# Altium PCB PDB_PCB.PcbDoc (part 2 of 3)
Units mil, origin at the board's own origin, x right, y up, seen from the top; angles counter-clockwise.
Board outline 5500 x 4500 mil, 4 copper layers (Top Layer, Mid Layer 1, Mid Layer 2, Bottom Layer), stack 78.937 mil thick; 320 components, 127 nets, 936 pads, 1645 vias.
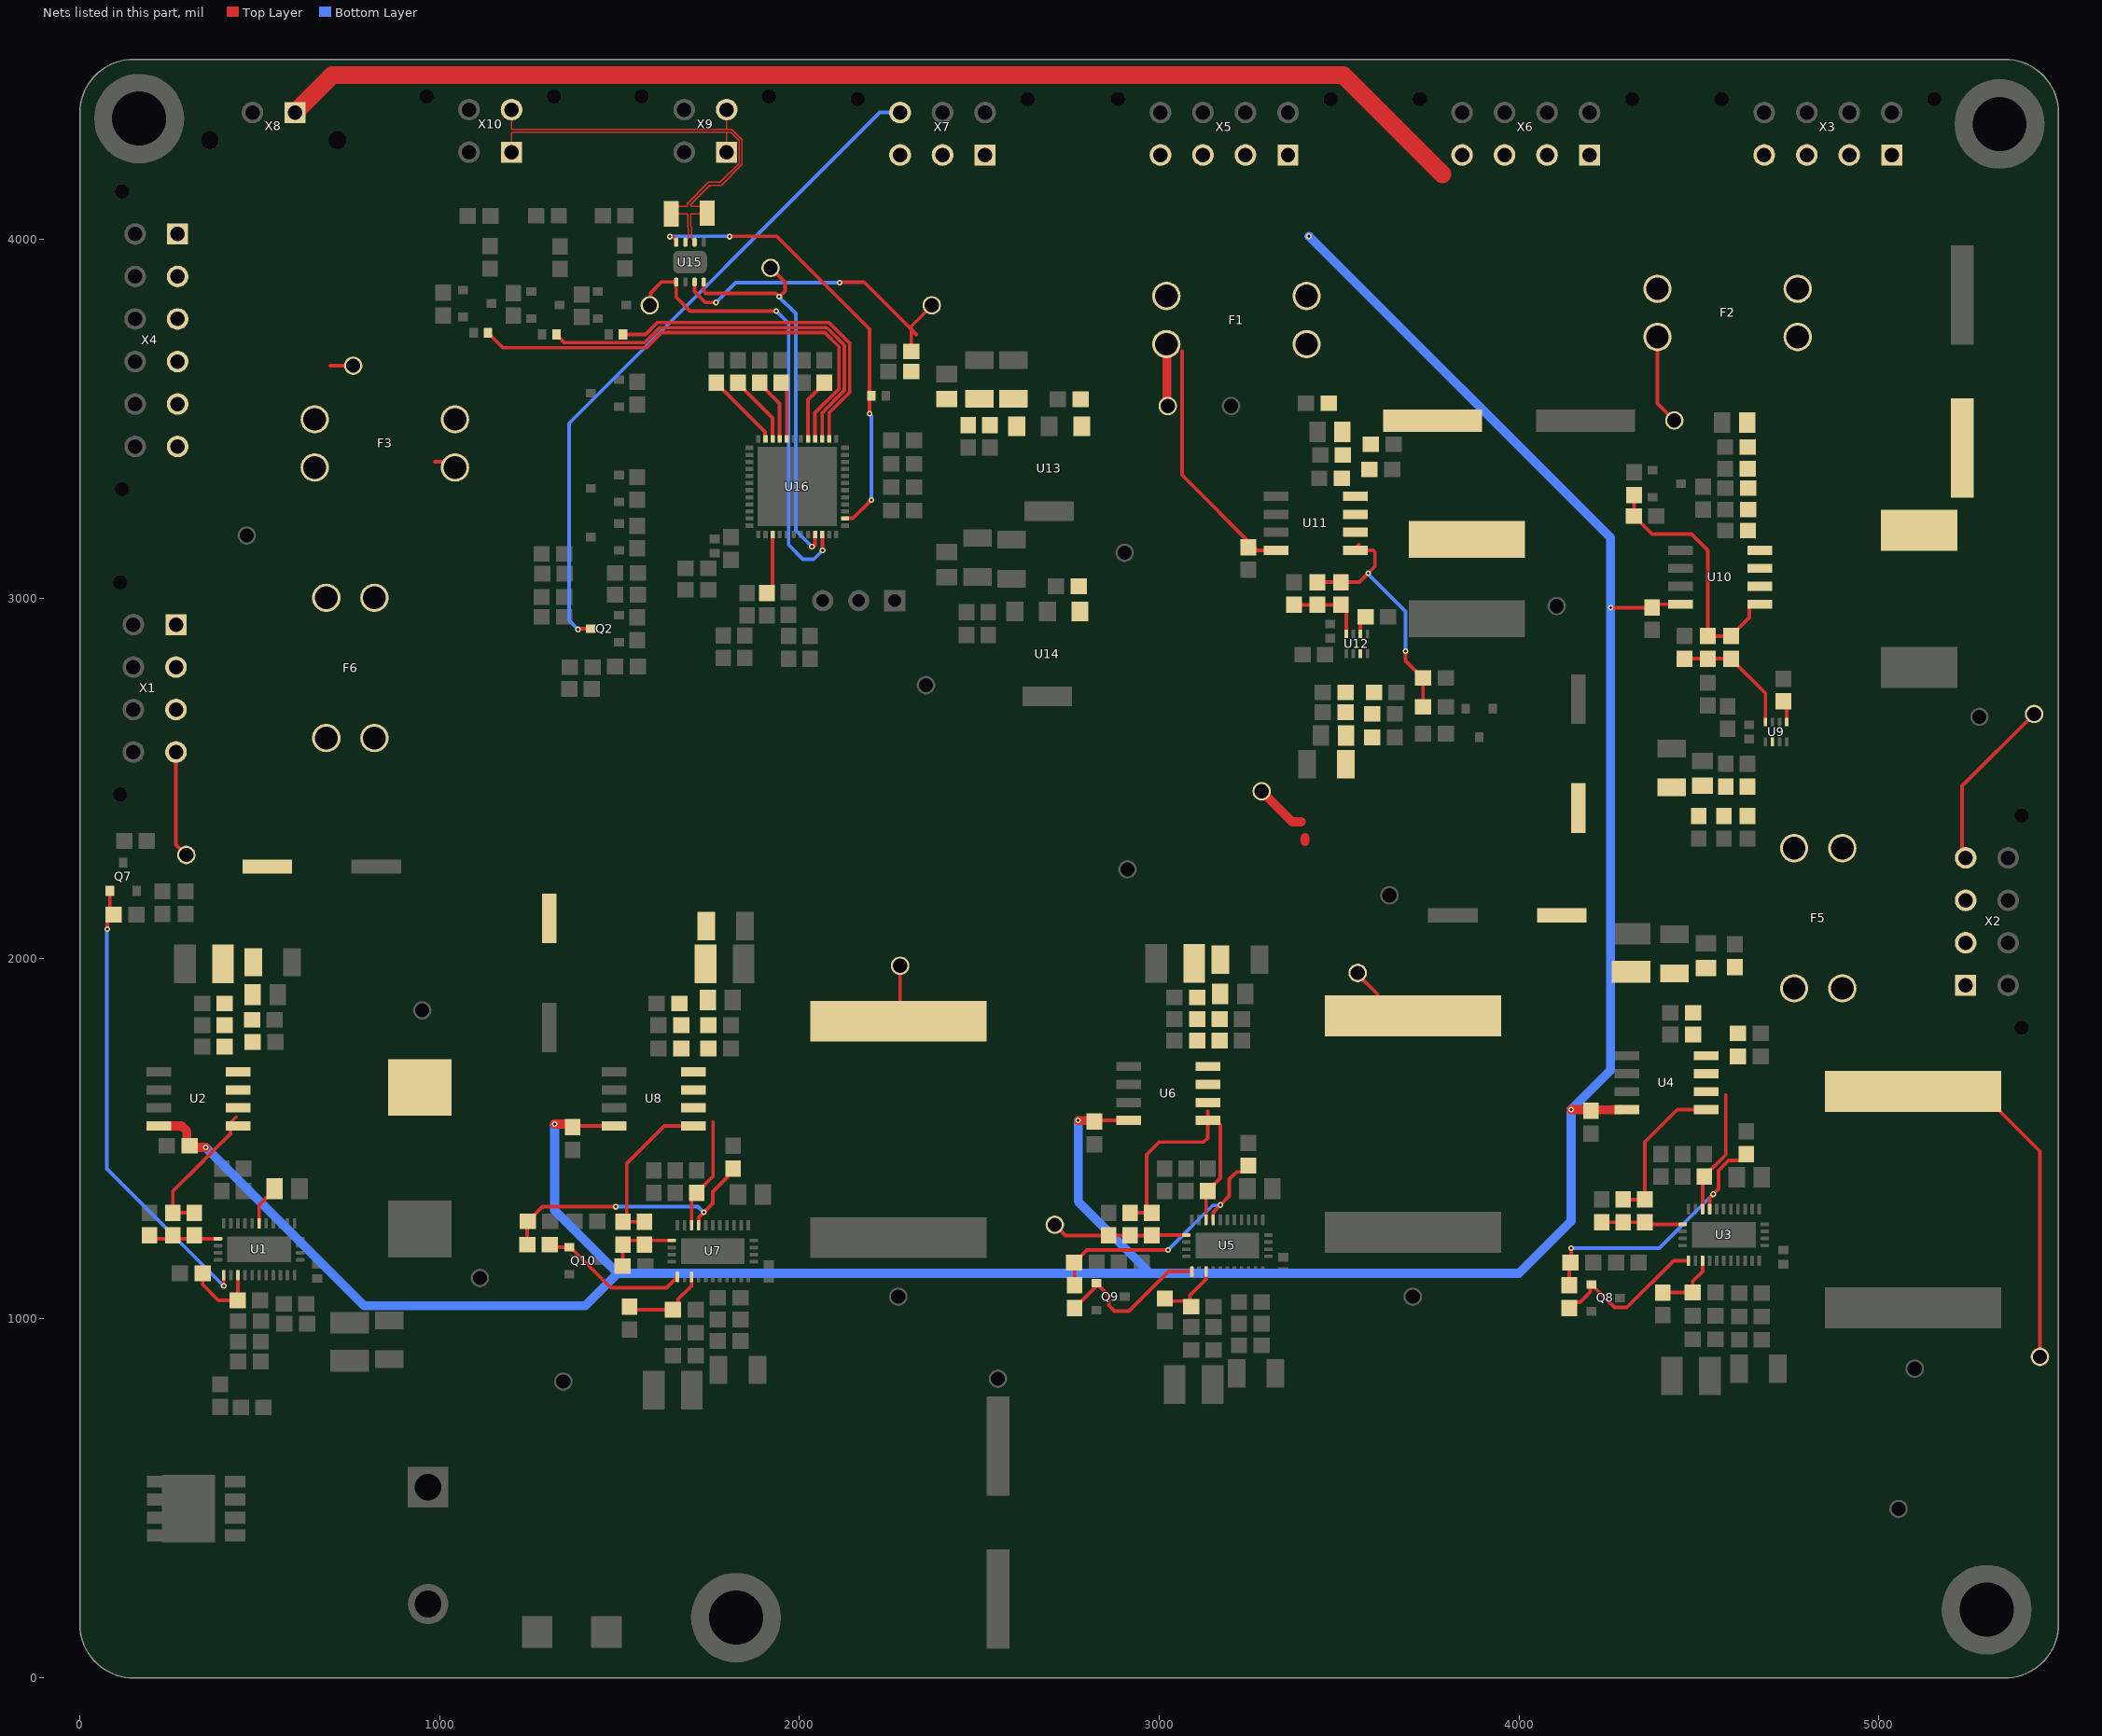
[diagram p4: the nets of this part, all layers, seen from the top]

## Part data (continued)
D1: library part DIO-69.4V-0001, "69.4V Clamp 8.7A Ipp Tvs Diode Surface Mount DO-214AA (SMBJ)", Breakdown Voltage=47.8V, Package="DO-214AA (SMBJ)", Peak pulser current=8.7A, Reverse working maximum voltage=43V, Channels=Bidirectional, Vclamp=69.4V
D2 D3 D4 D5 D6 D7 D8 D9 D10: library part LED_Amber_0001, "CAP CER 0.1UF 100V X7R 0603", Color=Amber, Current Rating=20mA, Manufacturer="Wurth Electronik", Package Size=0603, Assembled?=no, Manufacturer Part Number=150060AS75000, Vf=2V
F1 F2 F3 F5 F6: library part FUSE-ATM-0001, "Fuse Holder 30 A 500V 1 Circuit Blade Through Hole", Current=30A, Voltage Rating=500V, Manufacturer Part Number=3568
J1: library part CON-2POS-0003
L1: library part PWRIND-10U-0002, "10 µH Shielded Drum Core, Wirewound Inductor 10 A 16.8mOhm Max Nonstandard", Inductance="10 uH", Tolerance="+/- 20%", Assembled?=No, DCI="10 A", DCR="16.8 mOhm", Isat=16A
L2 L3 L4: library part PWRIND-8.2U-0002, "8.2 µH Shielded Molded Inductor 18 A 10.66mOhm Max Nonstandard", Inductance="8.2 uH", Tolerance=+/-20%, DCI=18A, DCR="10.66 mOhm", Isat=25A
L5: library part PWRIND-3.3U-0003, "3.3 µH Shielded Drum Core, Wirewound Inductor 6.8 A 15mOhm Max Nonstandard", Inductance="3.3 uH", Tolerance=30%, Assembled?=No, DCI="6.8 A", DCR="15 mOhm", Isat=6.5A
L6: library part PWRIND-1U-0001, "1 µH Semi-Shielded Drum Core, Wirewound Inductor 7.8 A 10mOhm Max Nonstandard", Inductance="1 uH", Tolerance=30%, Assembled?=No, DCI=7.8A, DCR="10 mOhm", Isat=11A
P1: "Header, 3-Pin", LatestRevisionDate=17-Jul-2002, LatestRevisionNote="Re-released for DXP Platform.", Publisher="Altium Limited"
Q1: library part NMOS-60A-0001, "N-Channel 60 V 60A (Tc) 81W (Tc) Surface Mount 8-SOP Advance (5x5)", Drain Current=60A, Package=8-PowerVDFN, Vdss=60V, Vgs="2.5V @ 220uA", Vgs(Max)=20V
Q2 Q3 Q4 Q6 Q7 Q8 Q9 Q10 Q11 Q12 Q13 Q14 Q15: library part NMOS-200MA-0001, "MOSFET N-CH 60V 200MA SOT23", Manufacturer=Toshiba, Package=SOT-23-3, Assembled?=no, FET type=N-Channel, Id-Continuous=200mA, Manufacturer Part Number=T2N7002AK,LM, Rds On-Max=3.9Ohm, VDS-Max=60V, Vgs-Max=20V
R1: library part RES-200K-0001, "200 kOhms ±1% 0.1W, 1/10W Chip Resistor 0603 (1608 Metric) Automotive AEC-Q200 Thick Film", Manufacturer="Panasonic Electronic Components", Package Size=0603, Power Rating="0.1 W", Resistance="200k +/- 1%", Assembled?=Yes, MFP=ERJ-3EKF2003V
R2 R10 R16 R20 R23 R30 R32 R39 R41: library part RES-100K-0003, "100 kOhms ±1% 0.1W, 1/10W Chip Resistor 0603 (1608 Metric) Moisture Resistant Thick Film", Package Size=0603, Power="1/10 W", Resistance="100 kOhm", Tolerance="+/- 1%", Assembled?=No
R4 R5 R6 R8: library part RES-0-0001, "0 Ohms Jumper 0.1W, 1/10W Chip Resistor 0603 (1608 Metric) Automotive AEC-Q200 Thick Film", Package Size=0603, Power="1/10 W", Resistance=10kOhm
R9 R18 R27 R36: library part RES-2.15M-0001, "2.15 MOhms ±1% 0.1W, 1/10W Chip Resistor 0603 (1608 Metric) Moisture Resistant Thick Film", Package Size=0603, Power="1/10 W", Resistance="2.15 MOhm", Tolerance=+/-1%, Assembled?=No
R11 R22 R31 R40 R52 R60 R61 R62: library part RES-100-0002, "100 Ohms ±1% 0.1W, 1/10W Chip Resistor 0603 (1608 Metric) Automotive AEC-Q200 Thick Film", Manufacturer=YAGEO, Package Size=0603, Power Rating=1/10W, Resistance="100Ohm +/-1%", Assembled?=no, Manufacturer Part Number=AC0603FR-10100RL
R12 R14 R19 R24 R28 R33 R37 R42 R46 R47 R50 R54 R57 R66 R67 R68: library part RES-10K-0002, "RES SMD 10K OHM 1% 1/10W 0603", Manufacturer=YAGEO, Package Size=0603, Power Rating=1/10W, Resistance="10kOhm +/-1%", Assembled?=no, Manufacturer Part Number=RC0603FR-0710KP
R13 R26 R35 R44: library part RES-76.8K-0001, "76.8 kOhms ±1% 0.1W, 1/10W Chip Resistor 0603 (1608 Metric) Moisture Resistant Thick Film", Manufacturer=Yageo, Package Size=0603, Power="1/10 W", Resistance="76.8 kOhm", Tolerance="+/- 1%"
R15 R21 R29 R38 R48 R56: library part THERM-47K-0001, "PTC Thermistor 47 kOhms 0402 (1006 Metric)", Manufacturer="Texas Instruments", Package Size=0402, Resistance="47k +/- 1%", Manufacturer Part Number=TMP6431DECR
R17: library part RES-4.32K-0001, "4.32 kOhms ±1% 0.1W, 1/10W Chip Resistor 0603 (1608 Metric) Moisture Resistant Thick Film", Package Size=0603, Power="1/10 W", Resistance="4.32 kOhm", Tolerance=+/-1%, Assembled?=No
R25 R34 R43 R51: library part RES-9.09K-0001, "9.09 kOhms ±1% 0.1W, 1/10W Chip Resistor 0603 (1608 Metric) Moisture Resistant Thick Film", Package Size=0603, Power="1/10 W", Resistance="9.09 kOhm", Tolerance=+/-1%, Assembled?=No
R45: library part RES-220-003, "220 Ohms ±5% 0.1W, 1/10W Chip Resistor 0603 (1608 Metric) Automotive AEC-Q200, Moisture Resistant Thick Film", Package Size=0603, Power="1/10 W", Resistance="220 Ohm", Tolerance="+/- 5%"
R49: library part RES-73.2K-0001, "73.2 kOhms ±1% 0.1W, 1/10W Chip Resistor 0603 (1608 Metric) Moisture Resistant Thick Film", Package Size=0603, Power="1/10 W", Resistance="73.2 kOhm", Tolerance=1%, Assembled?=No
R53: library part RES-4.7K-0002, "RES SMD 4.7K OHM 1% 1/10W 0603", Manufacturer=YAGEO, Package Size=0603, Power Rating=1/10W, Resistance="4.7kOhm +/-1%", Assembled?=no, Manufacturer Part Number=AF0603FR-074K7L
R55: library part RES-30.9K-0001, "30.9 kOhms ±1% 0.1W, 1/10W Chip Resistor 0603 (1608 Metric) Moisture Resistant Thick Film", Package Size=0603, Power="1/10 W", Resistance="30.9 kOhm", Tolerance=1%, Assembled?=No
R58: library part RES-4.7K-0001, "RES SMD 4.7K OHM 1% 1/16W 0402", Manufacturer=YAGEO, Package Size=0402, Power Rating=1/16W, Resistance="4.7kOhm +/-1%", Assembled?=no, Manufacturer Part Number=RC0402FR-074K7P
R59: library part RES-120-0002, "120 Ohms ±1% 0.5W, 1/2W Chip Resistor 1206 (3216 Metric) Thick Film", Package Size=1206, Power="0.5 W", Resistance="120 Ohm", Tolerance=1%
R63 R64 R65: library part RES-33-0003-JLC, "100mW Thick Film Resistors ±100ppm/℃ ±1% -55℃~+155℃ 33Ω 0402  Chip Resistor - Surface Mount ROHS", JLC part number=C278594, Power="1/10 W", Resistance="33 Ohm +/- 1%", Assembled?=yes
R69 R70 R71 R72 R73 R74 R75 R76 R77 R78 R79 R80: library part RES-0-0001, "0 Ohms Jumper 0.1W, 1/10W Chip Resistor 0603 (1608 Metric) Automotive AEC-Q200 Thick Film", Package Size=0603, Resistance="0 Ohm"
TP1 TP3 TP4 TP5 TP6 TP7 TP8 TP9 TP11 TP12 TP13 TP14 TP15 TP17 TP18 TP19 TP20 TP21 TP22 TP23 TP24 TP25 TP26 TP27 TP28 TP29 TP30 TP31 TP32: library part TEST-POINT-0001, "Oranange PC Test Point, Miniature Phoisphor Bronze Silver Plating Through Hole Mounting Type"
U1: library part IC-BUCK-0006, "Buck Switching Regulator IC Positive Adjustable 1V 1 Output 5A 30-WFQFN Exposed Pad", Current=5A, Manufacturer="Texas Instruments", Package=30-WFQFN, Assembled?=no, Manufacturer Part Number=LM76005RNPR, Type=Buck
U2 U4 U6 U8 U10 U11: library part IC-CURRENT-0004, "Current Sensor 1 Channel Hall Effect Bidirectional 8-SOIC (0.154\", 3.90mm Width)", Supply Voltage=5V, Assembled?=No
U3 U5 U7: library part IC-BUCK-0006, "Buck Switching Regulator IC Positive Adjustable 1V 1 Output 5A 30-WFQFN Exposed Pad", Manufacturer="Texas Instruments", Package=30-WFQFN, Assembled?=no, Current=LM76005RNPR, Manufacturer Part Number=LM76005RNPR, Type=Buck
U9: library part IC-BUCK-0008, "Buck Switching Regulator IC Positive Adjustable 0.6V 1 Output 3A SOT-583", Current=3A, Manufacturer="Texaas Instruments", Package Size=SOT-583, Assembled?=no, Manufacturer Part Number=TPS563212DRLR, Type=Buck
U12: library part IC-BUCK-0010, "Buck Switching Regulator IC Positive Adjustable 0.8V 1 Output 3A SOT-583", Current=3A, Manufacturer="Texas Instruments", Assembled?=no, Manufacturer Part Number=TPS62933ODRLR, Type=Buck
U13: library part IC-LDO-5V-0003, "Linear Voltage Regulator IC Positive Fixed 1 Output 500mA SOT-223-4", Current="500 mA", Manufacturer="Texas Instruments", Package Size=SOT223-4, Assembled?=no, Manufacturer Part Number=UA78M05IDCYR, Type="Low dropout (LDO)"
U14: library part IC-LDO-3.3V-0002, "Linear Voltage Regulator IC Positive Fixed 1 Output 500mA SOT-223-4", Current="500 mA", Package=SOT-223-4, Vin=25V, Vout=3.3V
U15: library part IC-CAN-TRANSCEIVER-0002, "1/1 Transceiver CANbus 8-VSON (3x3)", Manufacturer="Texas Instrument", CAN Capability=FD-CAN, Manufacturer Part Number=TCAN1042HGDRBTQ1
U16: library part IC-STM32G431CBU6, "128KB 1.71V~3.6V ARM-MSeries 32KB 170MHz FLASH 42 UFQFPN-48(7x7) Microcontroller Units (MCUs/MPUs/SOCs) ROHS", Package=UFQFPN-48, Assembled?=no, Manufacturer Part Number=STM32G431CBU6
X1 X2 X3 X5 X6: library part "Micro-Fit Molex 8 Pin 2 Row Vertical", Package=43045-0812, DeviceName=43045-0812, DeviceSetName=HEADER_POS8_?, GateName_1=G$1, LibraryName=con-molex-micro-fit-3_0_2, SymbolName_1=HEADER_POS8
X4: library part HEADER_POS12_?43045-1212, Package=43045-1212, DeviceName=43045-1212, DeviceSetName=HEADER_POS12_?, GateName_1=G$1, LibraryName=con-molex-micro-fit-3_0_2, SymbolName_1=HEADER_POS12
X7: library part "Micro-Fit Molex 6 Pin 2 Row Vertical", Package=43045-0612, DeviceName=43045-0612, DeviceSetName=HEADER_POS6_?, GateName_1=G$1, LibraryName=con-molex-micro-fit-3_0_2, SymbolName_1=HEADER_POS6
X8: library part "Micro-Fit Molex 2 Pin Vertical", Package=43650-0215, DeviceName=43650-0215, DeviceSetName=HEADER_POS2_?, GateName_1=G$1, LibraryName=con-molex-micro-fit-3_0_2, SymbolName_1=HEADER_POS2
X9 X10: library part "Micro-Fit Molex 4 Pin 2 Row Vertical", Package=43045-0412, DeviceName=43045-0412, DeviceSetName=HEADER_POS4_?, GateName_1=G$1, LibraryName=con-molex-micro-fit-3_0_2, SymbolName_1=HEADER_POS4

## Free pads (board coordinates)
  round 250 hole 150: ""(165,4335) ""(1824,168) ""(5300,190) ""(5336,4320)

## Via types
v1: diameter 16, hole 8, Top Layer to Bottom Layer, 1601 vias
v2: diameter 11.81, hole 7.87, Top Layer to Bottom Layer, 44 vias

## Nets (pads, with @x,y where several pads share a name; then routed paths per layer and width w, separated by ;. In a path a pad name is that pad's centre, name@x,y a point inside that pad or via, vN(x,y) a via of type N, cw(c..) or ccw(c..) an arc to the next point about the centre after c; other vN are vias at no path point)
3V3_BUCK_MAIN: C23.1 C37.1 C60.1 C83.1 C110.1 C111.2 F1.2 TP23.1 U2.8 U4.8 U6.8 U8.8 U10.8 U11.8 X5.P$1 X5.P$2 X5.P$3 X5.P$4 X7.P$1 X7.P$2 X7.P$3 | length 9961.8
  Top Layer w10: C83.1@1377.5,1524 1388.5,1535 U8.8@1484.76,1535 ; C60.1@2820,1550 U6.8@2914.76,1550 ; TP23.1@3024,3536 TP23.1@3025.71,3536 ; 3064,3688 3064,3344 3273,3135 U11.8@3324.76,3135 ; C37.1@4200,1576.5 4203.5,1580 U4.8@4280,1580 ; v1(4255,2975) 4368.5,2975 4378.5,2985 U10.8@4449.53,2985
  Top Layer w25: U2.8@219.76,1535 220.06,1534.7 283.09,1534.7 297.74,1520.06 297.74,1487.26 310,1475 v1(350,1475) ; v1(1320,1540) 1361.5,1540 C83.1@1370,1531.5 ; v1(2775,1550) 2816.5,1550 C60.1@2820,1546.5 ; F1.2@3020.12,3708.07 3022.06,3706.13 TP23.1@3022.06,3537.94 ; v1(4145,1580) 4200,1580 4200.3,1579.7 4279.7,1579.7 U4.8@4280,1580
  Bottom Layer w25: v1(350,1475) 790,1035 1405,1035 1495,1125 ; v1(1320,1540) 1320,1300 1495,1125 ; v1(2775,1550) 2775,1325 2975,1125 ; v1(3416,4008) 3417,4008 4255,3170 v1(4255,2975) 4255,1690 v1(4145,1580) 4145,1270 4000,1125 2975,1125 ; 1495,1125 2975,1125
3V3_BUCK_MAIN_FUSE: C112.1 C113.1 C114.1 C115.1 C116.1 C117.1 C118.1 F1.1 U11.3 U11.4
3V3_BUCK_OUT: C128.1 L6.2 R52.1 R53.1 R55.1 U11.1 U11.2 | length 726
  Top Layer w10: R55.1@3440,3046.5 C128.1@3505,3046.5 3556.5,3046.5 3600,3090 3600,3129.14 3594.14,3135 U11.1@3545.24,3135 ; U11.1@3542.62,3137.62 3555,3150 ; v1(3685,2855) 3685,2827.52 3732.52,2780 R53.1@3733.5,2780 R52.1@3733.5,2700
  Bottom Layer w10: v1@3580,3070 3685,2965 v1(3685,2855)
  other v1: 3581.01,3071
5V: C130.1 C131.1 C132.1 C133.2 C134.1 C149.1 C150.1 TP25.1 U13.3 U15.3 | length 890.7
  Top Layer w10: U15.3@1708.8,3880.88 1708.8,3854.07 1738.87,3824 v1(1768,3824) ; v1@2112,3880 2180,3880 2310.99,3749.01 ; C150.1@2310.99,3688 2310.99,3749.01 ; 2324.95,3735.05 2310.99,3749.01 ; TP25.1@2369.32,3816 2310.99,3757.68 2310.99,3749.01
  Bottom Layer w10: v1(1768,3824) 1822.9,3878.9 v1(2112.33,3878.9)
5V_BUCK_MAIN: F2.2 TP21.1 X3.P$1 X3.P$2 X3.P$3 X3.P$4 X6.P$1 X6.P$2 X6.P$3 X6.P$4 X8.P$1 | length 3597.8
  Top Layer w10: F2.2@4385.12,3728.07 4385.12,3542.88 TP21.1@4432,3496
  Top Layer w50: X8.P$1@598.12,4352 702.12,4456 3512,4456 3787.32,4180.68
5V_BUCK_MAIN_FUSE: C102.1 C103.1 C104.1 C105.1 C106.1 C107.1 C108.1 F2.1 U10.3 U10.4
5V_BUCK_OUT: C109.2 L5.2 R45.1 R47.2 R49.1 U10.1 U10.2 | length 740.7
  Top Layer w10: R45.1@4319.13,3230 4320.12,3230 4370.12,3180 4480,3180 4525,3135 R49.1@4525,2896.5 C109.2@4590,2896.5 4590,2897.48 4640.55,2948.03 4640.55,2977.2 4648.35,2985 U10.1@4670,2985 ; R45.1@4320,3230.87 R47.2@4320,3288.5
5V_FB: C109.1 R49.2 R50.1 U9.8 | length 345.3
  Top Layer w10: R50.1@4460,2833.5 R49.2@4525,2833.5 C109.1@4590,2833.5 4590,2832.52 4685,2737.52 U9.8@4685,2657.56
12V_BUCK_EN: R27.1 R30.1 U5.18 | length 191.7
  Top Layer w10: R30.1@3010.49,1048 3072.5,1048 R27.1@3088.5,1032 ; R27.1@3085.98,1031.5 3085.98,1064.14 3130.34,1108.5 U5.18@3130.34,1120.2
12V_BUCK_FB: C56.2 R32.2 R34.1 TP14.1 U5.12 | length 378
  Top Layer w10: TP14.1@2710,1260 2739.69,1230.31 R34.1@2859.47,1230.31 R32.2@2919.47,1230.31 C56.2@2979.47,1230.31 2980.5,1231.34 U5.12@3075.3,1231.34
12V_BUCK_MAIN: C61.1 C62.1 C63.1 C64.1 C65.1 C66.1 C67.1 C68.1 C69.1 C93.1 C94.1 C95.1 C96.1 C97.1 C98.1 C99.1 C119.1 C120.1 C121.1 C122.1 C123.1 C124.1 C125.1 C129.1 C135.1 TP15.1 U6.3 U6.4 U9.2 U12.3 U13.1 U14.1 | length 170.1
  Top Layer w25: C135.1@2776.5,3035 C135.1@2778.26,3033.24 ; U14.1@2778.26,2966.68 U14.1@2780.02,2964.92 U14.1@2780.02,2960.98 ; C129.1@2781.5,3555 C129.1@2783.26,3553.24 ; U13.1@2783.26,3481.68 U13.1@2785.02,3479.92 ; TP15.1@3285,2465 3370,2380 3395,2380 ; 3405,2325 3405,2336.01
12V_BUCK_OUT: C56.1 C58.1 L3.2 R32.1 TP12.1 U5.9 U6.1 U6.2 | length 1020.1
  Top Layer w4: 3606.67,1901.14 3606.67,1895.48 3661.26,1840.89 L3.2@3705,1840.89
  Top Layer w10: R32.1@2919.47,1293.31 C56.1@2979.47,1293.31 2965,1307.78 2965,1455 3000,1490 3123.5,1490 3135,1501.5 3135,1575 ; U5.9@3130.42,1273.66 3130.42,1348.92 C58.1@3135,1353.5 3135,1354.49 3170,1389.49 3170,1536.89 3156.89,1550 U6.1@3135.24,1550 ; TP12.1@3547.8,1960 3606.67,1901.14
12V_BUCK_PG: Q9.1 R33.1 U5.16 | length 453.3
  Top Layer w10: R33.1@2765,1028.5 2765,1029.49 2781.65,1046.14 2782.64,1046.14 2825.63,1089.13 Q9.1@2825.63,1097.4 2860,1063.03 2860,1036.22 2876.22,1020 2916,1020 3025.96,1129.96 U5.16@3091.05,1129.96
12V_BUCK_VCC: C152.1 R31.1 R33.2 U5.8 | length 724.7
  Top Layer w10: R33.2@2765,1091.5 2765,1153.5 R31.1@2763.5,1155 2764.49,1155 2799.49,1190 v1(3025,1190) ; U5.8@3150.1,1273.66 3150.18,1273.74 3150.18,1295.18 v1(3170,1315) 3195,1340 3195,1387 3214.87,1406.87 3231.35,1406.87 3235.32,1410.84 C152.1@3235.32,1416.53
  Bottom Layer w10: v1(3025,1190) 3148.85,1313.85 3168.85,1313.85 v1(3170,1315)
12V_JETSON_EN: R18.1 R20.1 U3.18 | length 167.6
  Top Layer w10: R20.1@4415,1071.5 4415.31,1071.81 R18.1@4482.98,1071.81 4482.98,1102.98 4510.42,1130.42 U3.18@4510.42,1159.96
12V_JETSON_FB: C33.2 R23.2 R25.1 U3.12 | length 227.6
  Top Layer w10: R25.1@4230,1267.01 R23.2@4290,1267.01 C33.2@4350,1267.01 4355.67,1261.34 U3.12@4455.3,1261.34
12V_JETSON_MAIN: F5.2 TP9.1 X2.P$1 X2.P$2 X2.P$3 X2.P$4 | length 486.9
  Top Layer w10: X2.P$4@5241.89,2280 5232.28,2289.61 5232.28,2310.7 5232,2310.98 5232,2480 TP9.1@5432,2680
12V_JETSON_MAIN_FUSE: C38.1 C39.1 C40.1 C41.1 C42.1 C43.1 C44.1 C45.1 C46.1 F5.1 U4.3 U4.4
12V_JETSON_OUT: C33.1 C35.1 L2.2 R23.1 TP7.1 U3.9 U4.1 U4.2 | length 1765.2
  Top Layer w10: R23.1@4290,1330 C33.1@4350,1330 4350,1490 4440,1580 U4.1@4520.24,1580 ; U3.9@4510.42,1303.66 4510.42,1388.92 C35.1@4515,1393.5 4515,1394.49 4575,1454.49 4575,1620 ; L2.2@5095,1630.89 5283.48,1630.89 5335.08,1579.29 5335.08,1576.92 5448,1464 TP7.1@5448,892.95
12V_JETSON_PG: Q8.1 R24.1 U3.16 | length 450.2
  Top Layer w10: R24.1@4140,1028.5 4156,1044.5 4169.5,1044.5 4198.26,1073.26 4198.26,1090.87 Q8.1@4201.6,1094.21 4203.57,1094.21 4210.38,1087.4 4210.38,1085.43 4265.81,1030 4300,1030 4429.96,1159.96 U3.16@4471.05,1159.96
12V_JETSON_VCC: C151.1 R22.1 R24.2 U3.8 | length 783.6
  Top Layer w10: R24.2@4140,1091.5 4140,1151.5 R22.1@4143.5,1155 4145,1156.5 v1(4145,1195) ; U3.8@4530.1,1303.66 4530.1,1335.1 v1(4540,1345) 4555,1360 4555,1411 4582.87,1438.87 4615.35,1438.87 4636.85,1460.37 C151.1@4636.85,1461.35
  Bottom Layer w10: v1(4145,1195) 4390,1195 v1(4540,1345)
12V_REST_EN: R36.1 R39.1 U7.18 | length 242.5
  Top Layer w10: R39.1@1515.05,1024 1640.5,1024 R36.1@1648.5,1032 ; R36.1@1650.74,1029.76 1662.64,1041.65 1662.64,1052.64 1700.42,1090.42 U7.18@1700.42,1114.96
12V_REST_FB: C79.2 R41.2 R43.1 U7.12 | length 193.3
  Top Layer w10: R43.1@1509.47,1147.79 R41.2@1509.47,1205.31 ; R41.2@1509.47,1216.34 1569.47,1216.34 U7.12@1645.3,1216.34
12V_REST_MAIN: F3.2 TP20.1 X4.P$1 X4.P$2 X4.P$3 X4.P$4 X4.P$5 X4.P$6 | length 64
  Top Layer w10: 696,3648 TP20.1@760,3648
12V_REST_MAIN_FUSE: C84.1 C85.1 C86.1 C87.1 C88.1 C89.1 C90.1 C91.1 C92.1 F3.1 U8.3 U8.4 | length 56
  Top Layer w10: 986.88,3381.07 F3.1@1042.88,3381.07
12V_REST_OUT: C79.1 C81.1 L4.2 R41.1 TP18.1 U7.9 U8.1 U8.2 | length 922.5
  Top Layer w10: C79.1@1569.47,1268.31 R41.1@1509.47,1268.31 1520,1278.83 1520,1430 1625,1535 U8.1@1705.24,1535 ; U7.9@1700.42,1258.66 1700.42,1333.92 C81.1@1715,1348.5 1715,1349.49 1760,1394.49 1760,1545.48 ; L4.2@2275,1825.89 2280,1830.89 TP18.1@2280,1980
12V_REST_PG: Q10.1 R42.1 U7.16 | length 405.9
  Top Layer w10: R42.1@1314.09,1197.4 Q10.1@1360.63,1197.4 1367.44,1190.59 1370.46,1190.59 1476.05,1085 1631.09,1085 U7.16@1661.05,1114.96
12V_REST_VCC: C153.1 R40.1 R42.2 U7.8 | length 746.3
  Top Layer w10: R42.2@1243.5,1205 1243.5,1268.5 R40.1@1245,1270 1245.98,1270 1285.98,1310 v1(1490,1310) ; U7.8@1720.1,1258.66 1720.18,1258.74 1720.18,1280.18 v1(1735,1295) 1759.75,1319.75 1759.75,1352.27 1800,1392.52 1800,1393.5
  Bottom Layer w10: v1(1490,1310) 1718.38,1310 1733.38,1295 v1(1735,1295)
24V_BUCK_MAIN: F6.2 TP3.1 X1.P$1 X1.P$2 X1.P$3 X1.P$4 | length 299.2
  Top Layer w10: X1.P$4@267.12,2574.11 267.12,2316.88 TP3.1@296,2288 TP3.1@296,2289.12
24V_BUCK_MAIN_FUSE: C13.1 C14.1 C15.1 C16.1 C17.1 C18.1 C19.1 C20.1 C21.1 F6.1 U2.3 U2.4
24V_BUCK_OUT: C22.1 L1.2 R16.1 U2.1 U2.2 | length 414.8
  Top Layer w10: C22.1@318.47,1293.31 R16.1@258.47,1293.31 258.47,1353.24 344.35,1439.11 344.35,1439.36 349.62,1444.63 349.87,1444.63 358.74,1453.5 358.91,1453.5 371.5,1466.09 371.5,1466.26 418.3,1513.06 418.3,1527.2 426.09,1535 U2.1@440.24,1535 ; U2.1@414.29,1539.29 435,1560
24V_MAIN_EN: R9.1 R10.1 U1.18 | length 216.9
  Top Layer w10: R10.1@341.5,1125 341.5,1093.5 385,1050 R9.1@438.5,1050 439.42,1050.91 U1.18@439.42,1119.96
24V_PGOOD: Q7.1 R14.1 U1.16 | length 1289.4
  Top Layer w10: v1(76.06,2082.09) 76.86,2082.9 76.86,2105.35 93.51,2122 R14.1@94.5,2122 R14.1@110.5,2106 ; Q7.1@83.59,2188.26 83.59,2137.91 89.05,2132.45 R14.1@89.05,2128.44 ; v1(400,1090) v1(400,1090) U1.16@400.05,1119.96
  Bottom Layer w10: v1@75,2082 75,1415 v1(400,1090)
BLUE_LED_GND: Q2.3 X7.P$6 | length 1897.1
  Top Layer w10: v1(1385,2915) 1386.81,2916.81 Q2.3@1420.1,2916.81
  Bottom Layer w10: v1(1385,2915) 1360,2940 1360,3488 2224,4352 X7.P$6@2280,4352
BOOT_5V_BUCK: C101.1 U9.5 | length 42.4
  Top Layer w10: U9.5@4744.06,2657.56 C101.1@4744.06,2700
BOOT_24V_BUCK: C12.2 U1.6 | length 116.1
  Top Layer w10: U1.6@498.47,1263.66 498.47,1314.47 520.06,1336.06 523.52,1336.06 541.35,1353.9 C12.2@541.35,1360
BST_3V3_BUCK: C126.1 U12.6 | length 53.3
  Top Layer w10: U12.6@3559.37,2902.56 3559.37,2935.87 C126.1@3573.5,2950
CAN_N: R59.1 U15.6 X9.P$3 X10.P$3 | length 1208.4
  Top Layer w3.45: X10.P$3@1200,4360 1200,4307.19 1202.02,4305.17 1796.1,4305.17 1798.12,4307.19 ; U15.6@1708.8,3991.12 1708.8,3996.36 1704.71,4000.45 1702.77,4000.45 1700.22,4002.99 1700.22,4034.01 1698.38,4035.86 1698.38,4068.29 1700.4,4070.31 1742.31,4070.31 R59.1@1744,4072 1725.05,4090.95 1699.2,4090.95 1697.18,4092.97 1697.18,4095.82 1750.85,4149.49 1783.31,4149.49 1840.9,4207.08 1840.9,4276.7 1812.43,4305.17 1800.14,4305.17 1798.12,4307.19 ; X9.P$3@1798.12,4360 1798.12,4307.19
CAN_P: R59.2 U15.7 X9.P$1 X10.P$1 | length 1194.4
  Top Layer w3.45: X10.P$1@1200,4241.89 1200,4294.7 1202.02,4296.72 1796.1,4296.72 1798.12,4294.7 ; U15.7@1683.2,3991.12 1683.2,3996.36 1687.29,4000.45 1689.23,4000.45 1691.78,4002.99 1691.78,4030.51 1689.93,4032.36 1689.93,4068.29 1687.91,4070.31 R59.2@1643.61,4070.31 1643.61,4072 1662.55,4090.95 1686.71,4090.95 1688.73,4092.97 1688.73,4099.32 1747.35,4157.94 1779.81,4157.94 1832.46,4210.58 1832.46,4273.2 1808.93,4296.72 1800.14,4296.72 1798.12,4294.7 ; X9.P$1@1798.12,4241.89 1798.12,4294.7
CAN_STB: R58.2 U15.8 U16.38 | length 1251.6
  Top Layer w10: v1(1640.33,4006.9) 1641.48,4005.75 1648.88,4005.75 1657.61,3997.02 U15.8@1657.61,3991.12 ; v1@1805.87,4008 1937,4008 2195,3750 v1(2195,3515) ; U16.38@2127.35,3223.23 2128.25,3224.13 2149.13,3224.13 v1(2200,3275)
  Bottom Layer w10: v1@1640.33,4008 v1@1806.2,4008 ; v1(2200,3275) 2200,3508.38
  other v1: 1806.2,4006.9
CURR_3V3: R80.1 U16.5 | length 174.5
  Top Layer w10: U16.5@2024,3444.68 2024,3553.86 2069.47,3599.33 R80.1@2069.47,3600.31
CURR_5V: R79.1 U16.27 | length 167.3
  Top Layer w10: R79.1@1909.47,3018.31 1925.57,3034.41 U16.27@1925.57,3178.94
CURR_12V_BUCK: R72.2 U16.11 | length 212.1
  Top Layer w10: R72.2@1769.47,3600.31 1769.47,3599.33 1904.98,3463.82 1904.98,3445.59 U16.11@1905.89,3444.68
CURR_12V_JETSON: R73.2 U16.9 | length 178.7
  Top Layer w10: R73.2@1889.47,3600.31 1889.47,3599.33 1945.26,3543.54 U16.9@1945.26,3444.68
CURR_12V_REST: R78.1 U16.10 | length 195.4
  Top Layer w10: R78.1@1829.47,3600.31 1829.47,3599.33 1925.57,3503.23 U16.10@1925.57,3444.68
CURR_24V: R74.2 U16.8 | length 162
  Top Layer w10: R74.2@1949.47,3600.31 1964.94,3584.84 U16.8@1964.94,3444.68
DEBUG_LED_0: R63.1 U16.2 | length 957
  Top Layer w10: R63.1@1509.68,3735 1572.55,3735 1605.55,3768 2082.19,3768 2140,3710.19 2140,3574.22 2083.06,3517.28 U16.2@2083.06,3444.68
DEBUG_LED_1: R64.1 U16.3 | length 1134.6
  Top Layer w10: R64.1@1324.68,3735 1324.68,3733.03 1331.5,3726.22 1333.46,3726.22 1347.46,3712.22 1569.57,3712.22 1611.35,3754 2076.39,3754 2125,3705.39 2125,3579.02 2063.37,3517.39 U16.3@2063.37,3444.68
DEBUG_LED_2: R65.1 U16.4 | length 1310.8
  Top Layer w10: R65.1@1134.37,3739.36 1134.37,3737.39 1141.18,3730.58 1143.15,3730.58 1175.51,3698.22 1575.36,3698.22 1617.14,3740 2070.59,3740 2110,3700.59 2110,3583.82 2043.68,3517.51 U16.4@2043.68,3444.68
FB_3V3_BUCK: C128.2 R55.2 R57.1 U12.8 | length 217.2
  Top Layer w10: R57.1@3375,2983.5 R55.2@3440,2983.5 C128.2@3505,2983.5 3520,2968.5 U12.8@3520,2902.56
FB_24V_BUCK: C22.2 R16.2 R17.1 U1.12 | length 194.5
  Top Layer w10: R17.1@193.47,1230.31 202.45,1221.34 U1.12@384.3,1221.34
FDCAN_RX: TP30.1 U15.4 U16.33 | length 1107.7
  Top Layer w10: U15.4@1734.39,3880.88 1734.39,3855.01 1740.24,3849.15 1935.14,3849.15 v1@1944,3840.29 ; TP30.1@1920,3920 1960,3880 1960,3856 v1(1944,3840) ; 2043.68,3148.68 U16.33@2043.68,3178.94
  Bottom Layer w10: v1(1944,3840) 1944,3839.12 1990,3793.12 1990,3190 v1(2035,3145)
FDCAN_TX: TP29.1 U15.1 U16.34 | length 1286.4
  Top Layer w10: TP29.1@1584,3816 1586.7,3818.7 1586.7,3850.7 1616.88,3880.88 U15.1@1657.61,3880.88 1657.61,3874.98 1657.61,3838.39 1696,3800 v1(1936,3800) ; U16.34@2063.37,3178.94 2064.03,3178.28 2064.03,3135.66 v1(2064.69,3135)
  Bottom Layer w10: v1(1936,3800) 1970,3766 1970,3150 2010,3110 2040,3110 2064.69,3134.69 v1(2064.69,3135)